# KiCad board zak180.kicad_pcb
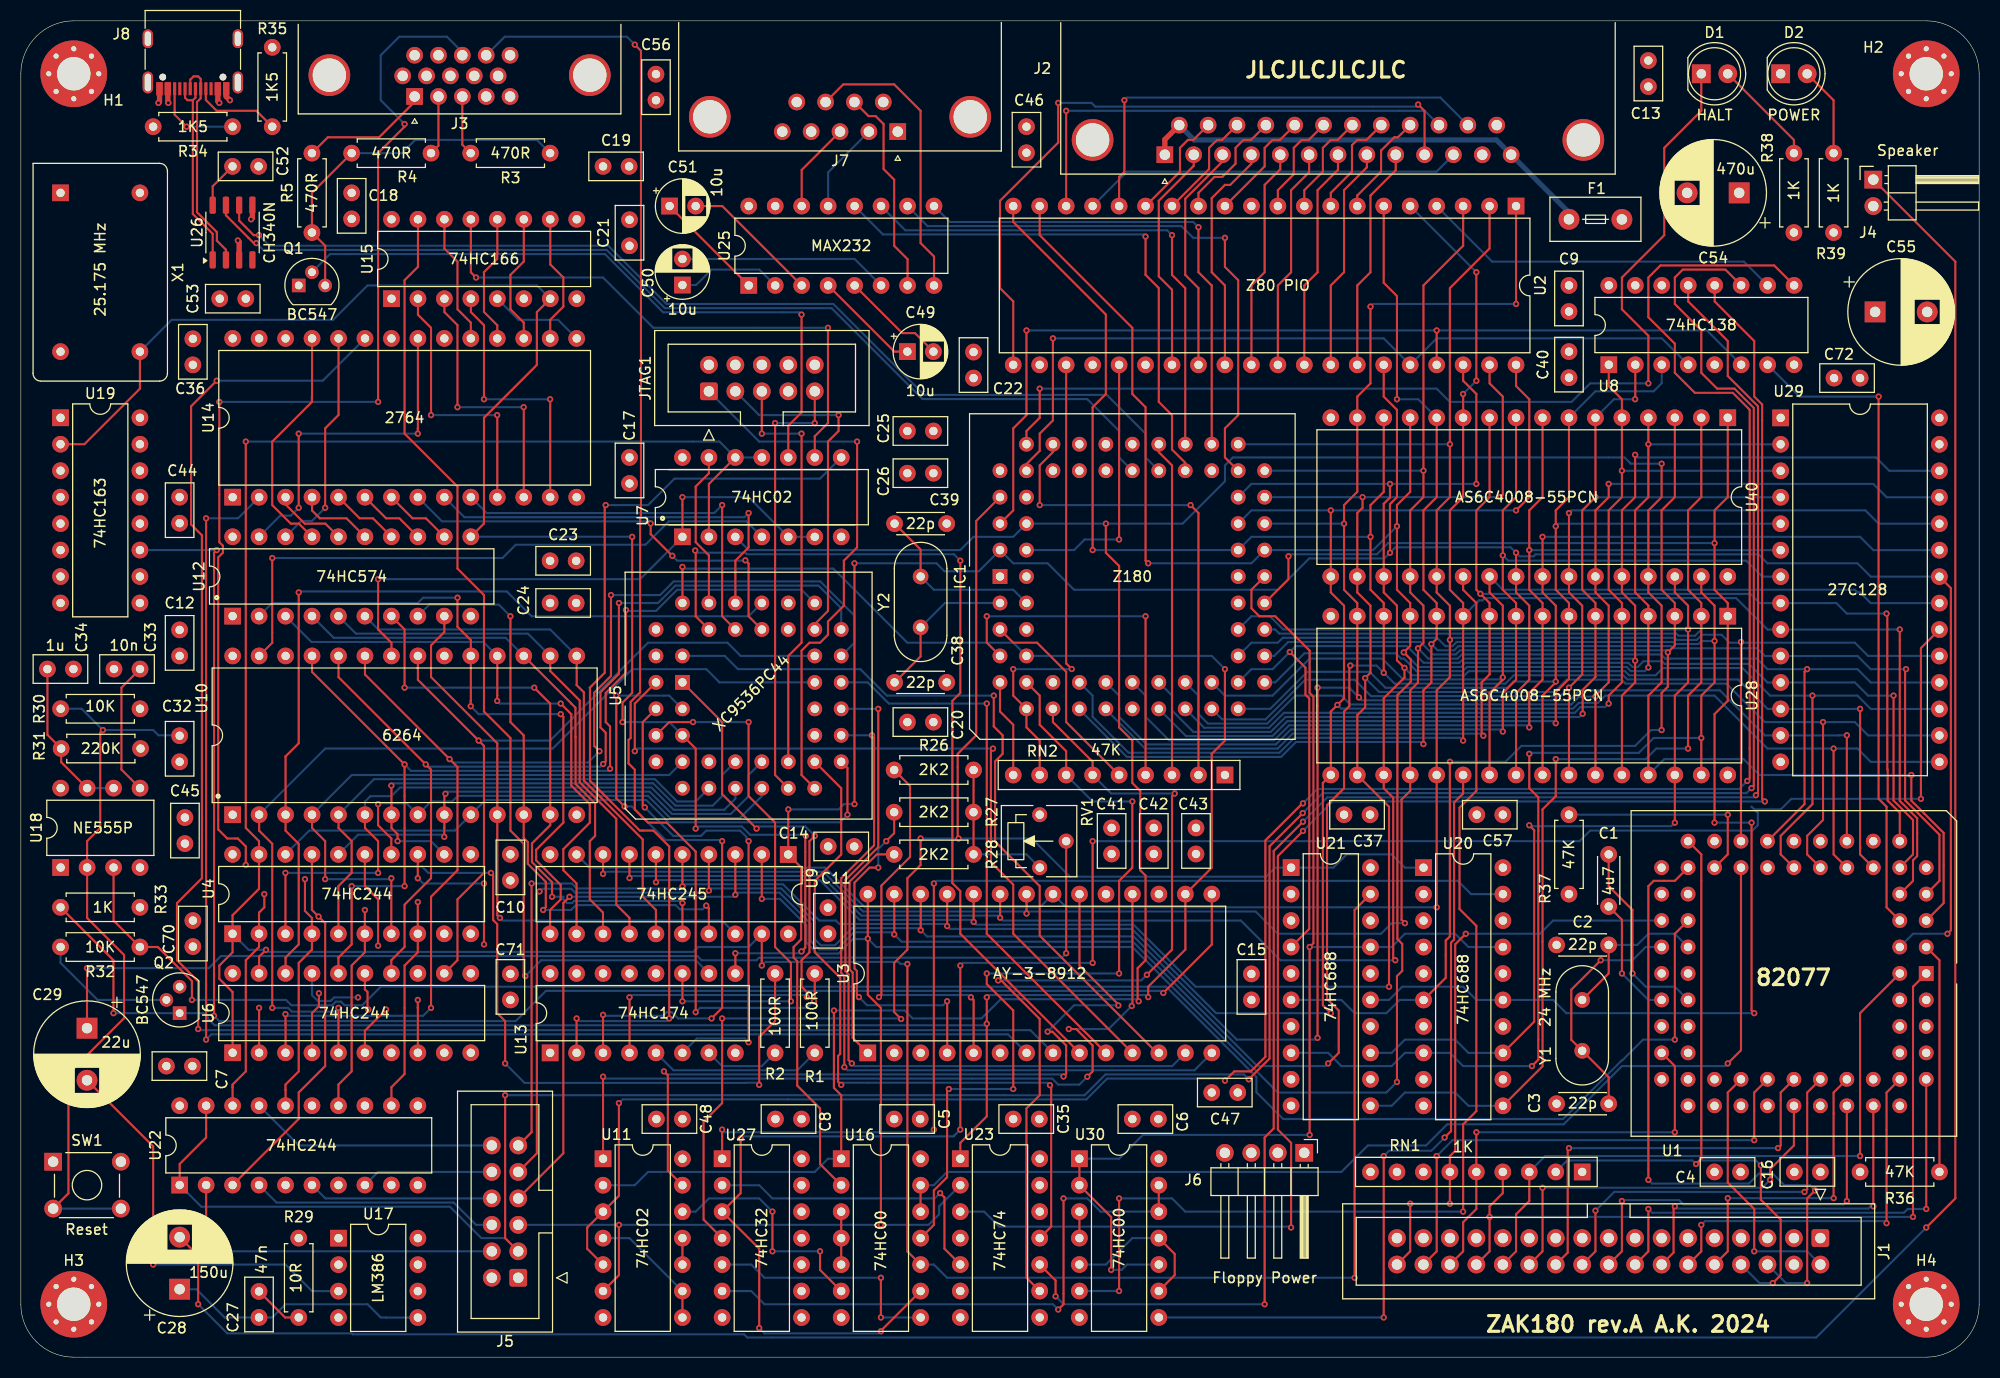
[diagram p0: board, top side]
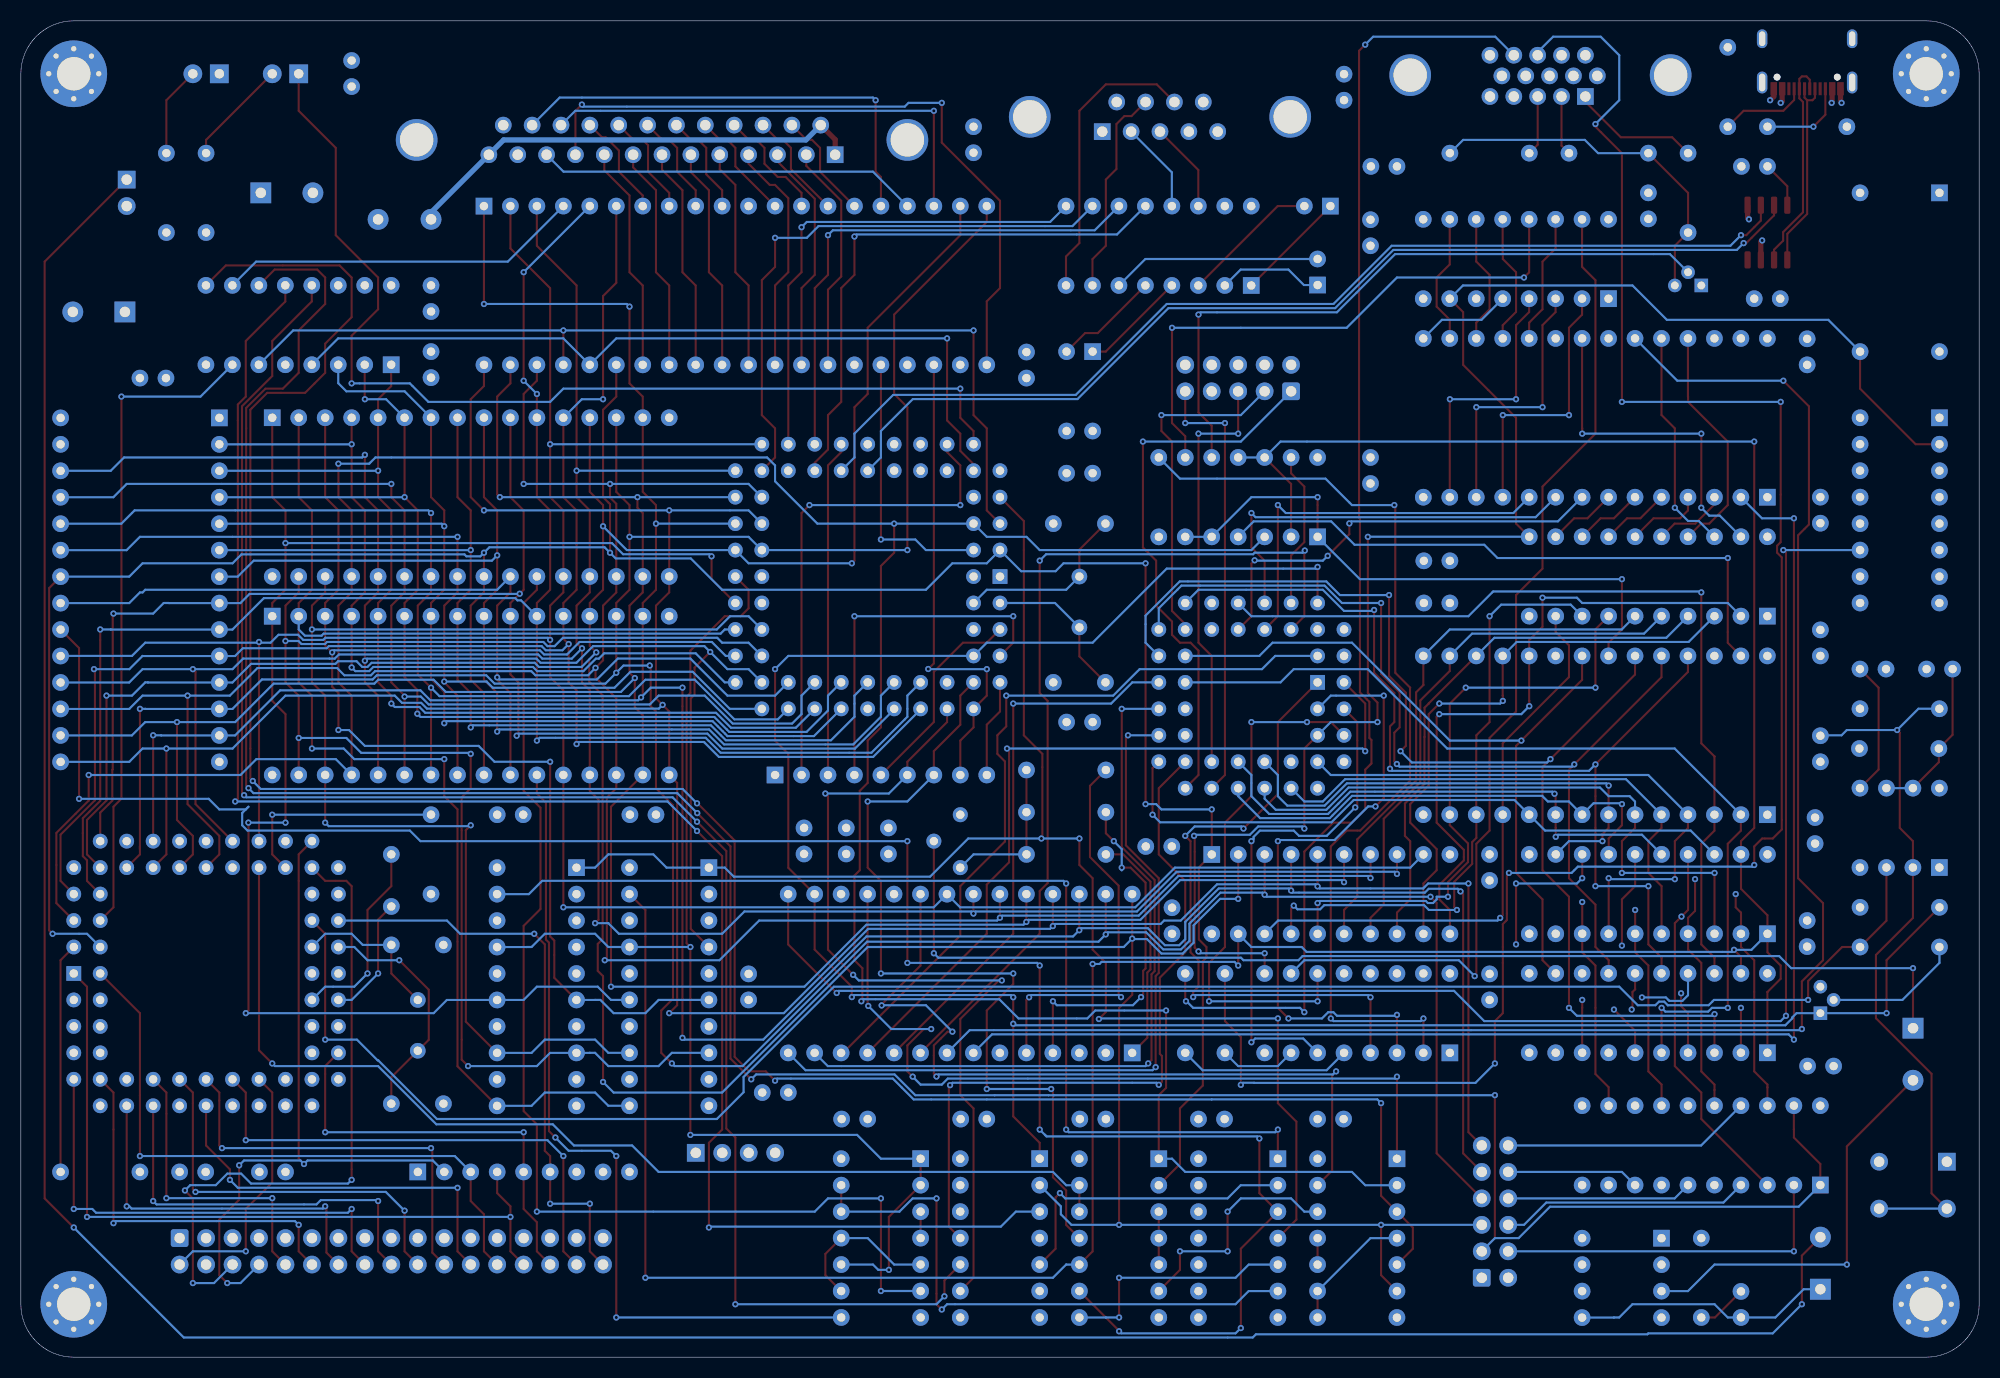
[diagram p1: board, bottom side, seen from below]

Outline 187.96 x 128.27 mm; copper layers: Top, In1.Cu, In2.Cu, Bottom. Coordinates in mm from the lower left corner of the outline.
Outline path: 0,123.19 arc(1.49,126.78) 5.08,128.27 182.88,128.27 arc(186.47,126.78) 187.96,123.19 187.96,5.08 arc(186.47,1.49) 182.88,0 5.08,0 arc(1.49,1.49) 0,5.08 0,123.19
Stack: Top 0.035mm / dielectric 0.1mm FR4 er 4.5 / In1.Cu 0.035mm / dielectric 1.24mm FR4 er 4.5 / In2.Cu 0.035mm / dielectric 0.1mm FR4 er 4.5 / Bottom 0.035mm

## Placement (name value [footprint] x y rotation side)
C1  4u7  [C_Disc_D4.3mm_W1.9mm_P5.00mm]  152.4 43.26 90 top  (not fitted)
C2  22p  [C_Disc_D4.3mm_W1.9mm_P5.00mm]  147.4 39.57 0 top
C3  22p  [C_Disc_D4.3mm_W1.9mm_P5.00mm]  147.4 24.33 0 top
C4  100n  [C_Disc_D5.0mm_W2.5mm_P2.50mm]  162.56 17.78 0 top
C5  100n  [C_Disc_D5.0mm_W2.5mm_P2.50mm]  86.32 22.85 180 top
C6  100n  [C_Disc_D5.0mm_W2.5mm_P2.50mm]  109.18 22.85 180 top
C7  100n  [C_Disc_D5.0mm_W2.5mm_P2.50mm]  16.47 27.94 180 top
C8  100n  [C_Disc_D5.0mm_W2.5mm_P2.50mm]  74.93 22.85 180 top
C9  100n  [C_Disc_D5.0mm_W2.5mm_P2.50mm]  148.59 102.87 270 top
C10  100n  [C_Disc_D5.0mm_W2.5mm_P2.50mm]  46.99 48.26 270 top
C11  100n  [C_Disc_D5.0mm_W2.5mm_P2.50mm]  77.47 40.64 90 top
C12  100n  [C_Disc_D5.0mm_W2.5mm_P2.50mm]  15.24 67.31 90 top
C13  100n  [C_Disc_D5.0mm_W2.5mm_P2.50mm]  156.21 124.46 270 top
C14  100n  [C_Disc_D5.0mm_W2.5mm_P2.50mm]  79.99 49.02 180 top
C15  100n  [C_Disc_D5.0mm_W2.5mm_P2.50mm]  118.11 36.79 270 top
C16  100n  [C_Disc_D5.0mm_W2.5mm_P2.50mm]  172.72 17.78 180 top
C17  100n  [C_Disc_D5.0mm_W2.5mm_P2.50mm]  58.42 86.36 270 top
C18  100n  [C_Disc_D5.0mm_W2.5mm_P2.50mm]  31.75 109.26 90 top
C19  100n  [C_Disc_D5.0mm_W2.5mm_P2.50mm]  55.88 114.3 0 top
C20  100n  [C_Disc_D5.0mm_W2.5mm_P2.50mm]  85.09 60.96 0 top
C21  100n  [C_Disc_D5.0mm_W2.5mm_P2.50mm]  58.42 106.68 90 top
C22  100n  [C_Disc_D5.0mm_W2.5mm_P2.50mm]  91.44 93.98 90 top
C23  100n  [C_Disc_D5.0mm_W2.5mm_P2.50mm]  50.8 76.44 0 top
C24  100n  [C_Disc_D5.0mm_W2.5mm_P2.50mm]  50.8 72.39 0 top
C25  100n  [C_Disc_D5.0mm_W2.5mm_P2.50mm]  85.09 88.9 0 top
C26  100n  [C_Disc_D5.0mm_W2.5mm_P2.50mm]  85.09 84.85 0 top
C27  47n  [C_Disc_D5.0mm_W2.5mm_P2.50mm]  22.86 3.81 90 top
C28  150u  [CP_Radial_D10.0mm_P5.00mm]  15.24 6.52 90 top
C29  22u  [CP_Radial_D10.0mm_P5.00mm]  6.35 31.58 270 top
C32  100n  [C_Disc_D5.0mm_W2.5mm_P2.50mm]  15.24 59.65 270 top
C33  10n  [C_Disc_D5.0mm_W2.5mm_P2.50mm]  11.44 66.05 180 top
C34  1u  [C_Disc_D5.0mm_W2.5mm_P2.50mm]  2.55 66.05 0 top
C35  100n  [C_Disc_D5.0mm_W2.5mm_P2.50mm]  97.75 22.85 180 top
C36  100n  [C_Disc_D5.0mm_W2.5mm_P2.50mm]  16.51 97.75 270 top
C37  100n  [C_Disc_D5.0mm_W2.5mm_P2.50mm]  129.5 52.07 180 top
C38  22p  [C_Disc_D4.3mm_W1.9mm_P5.00mm]  88.86 64.77 180 top
C39  22p  [C_Disc_D4.3mm_W1.9mm_P5.00mm]  88.86 80.01 180 top
C40  100n  [C_Disc_D5.0mm_W2.5mm_P2.50mm]  148.59 94.02 90 top
C41  100n  [C_Disc_D5.0mm_W2.5mm_P2.50mm]  104.69 48.3 90 top
C42  100n  [C_Disc_D5.0mm_W2.5mm_P2.50mm]  108.74 48.3 90 top
C43  100n  [C_Disc_D5.0mm_W2.5mm_P2.50mm]  112.79 48.3 90 top
C44  100n  [C_Disc_D5.0mm_W2.5mm_P2.50mm]  15.24 82.55 270 top
C45  100n  [C_Disc_D5.0mm_W2.5mm_P2.50mm]  15.75 49.3 90 top
C46  100n  [C_Disc_D5.0mm_W2.5mm_P2.50mm]  96.52 115.61 90 top
C47  100n  [C_Disc_D5.0mm_W2.5mm_P2.50mm]  116.8 25.4 180 top
C48  100n  [C_Disc_D5.0mm_W2.5mm_P2.50mm]  63.5 22.85 180 top
C49  10u  [CP_Radial_D5.0mm_P2.50mm]  85.09 96.52 0 top
C50  10u  [CP_Radial_D5.0mm_P2.50mm]  63.5 102.91 90 top
C51  10u  [CP_Radial_D5.0mm_P2.50mm]  62.27 110.49 0 top
C52  100n  [C_Disc_D5.0mm_W2.5mm_P2.50mm]  20.32 114.3 0 top
C53  100n  [C_Disc_D5.0mm_W2.5mm_P2.50mm]  19.09 101.6 0 top
C54  470u  [CP_Radial_D10.0mm_P5.00mm]  164.93 111.76 180 top
C55  470u  [CP_Radial_D10.0mm_P5.00mm]  177.97 100.33 0 top
C56  100n  [C_Disc_D5.0mm_W2.5mm_P2.50mm]  60.96 120.65 90 top
C57  100n  [C_Disc_D5.0mm_W2.5mm_P2.50mm]  142.24 52.07 180 top
C70  100n  [C_Disc_D5.0mm_W2.5mm_P2.50mm]  16.51 41.91 270 top
C71  100n  [C_Disc_D5.0mm_W2.5mm_P2.50mm]  46.99 36.79 270 top
C72  100n  [C_Disc_D5.0mm_W2.5mm_P2.50mm]  174.03 93.98 0 top
D1  HALT  [LED_D5.0mm]  161.29 123.19 0 top
D2  POWER  [LED_D5.0mm]  168.91 123.19 0 top
F1  Fuse  [Fuse_Littelfuse_395Series]  148.59 109.22 0 top
H1  MountingHole_Pad  [MountingHole_3.2mm_M3_Pad_Via]  5.08 123.19 0 top
H2  MountingHole_Pad  [MountingHole_3.2mm_M3_Pad_Via]  182.88 123.19 0 top
H3  MountingHole_Pad  [MountingHole_3.2mm_M3_Pad_Via]  5.08 5.08 0 top
H4  MountingHole_Pad  [MountingHole_3.2mm_M3_Pad_Via]  182.88 5.08 0 top
IC1  Z180  [PLCC-68_THT-Socket]  93.98 74.93 90 top
J1  Conn_02x17_Odd_Even  [IDC-Header_2x17_P2.54mm_Vertical]  172.72 11.43 270 top
J2  DB25_Receptacle_MountingHoles  [DSUB-25_Female_Horizontal_P2.77x2.84mm_EdgePinOffset9.90mm_Housed_MountingHolesOffset11.32mm]  109.8 115.42 180 top
J3  DE15_Receptacle_HighDensity_MountingHoles  [DSUB-15-HD_Female_Horizontal_P2.29x1.98mm_EdgePinOffset3.03mm_Housed_MountingHolesOffset4.94mm]  37.79 121.01 180 top
J4  Speaker  [PinHeader_1x02_P2.54mm_Horizontal]  177.8 113.03 0 top
J5  Conn_02x06_Odd_Even  [IDC-Header_2x06_P2.54mm_Vertical]  47.74 7.62 180 top
J6  Floppy Power  [PinHeader_1x04_P2.54mm_Horizontal]  123.18 19.62 270 top
J7  DE9_Plug_MountingHoles  [DSUB-9_Male_Horizontal_P2.77x2.84mm_EdgePinOffset7.70mm_Housed_MountingHolesOffset9.12mm]  84.16 117.64 180 top
J8  USB_C_Receptacle_USB2.0_14P  [USB_C_Receptacle_G-Switch_GT-USB-7010ASV]  16.51 125.48 180 top
JTAG1  Conn_02x05_Odd_Even  [IDC-Header_2x05_P2.54mm_Vertical]  66.04 92.71 90 top
Q1  BC547  [TO-92]  26.67 102.87 0 top
Q2  BC547  [TO-92]  15.24 33.02 90 top
R1  100R  [R_Axial_DIN0207_L6.3mm_D2.5mm_P7.62mm_Horizontal]  76.2 29.21 90 top
R2  100R  [R_Axial_DIN0207_L6.3mm_D2.5mm_P7.62mm_Horizontal]  72.39 29.21 90 top
R3  470R  [R_Axial_DIN0207_L6.3mm_D2.5mm_P7.62mm_Horizontal]  50.8 115.57 180 top
R4  470R  [R_Axial_DIN0207_L6.3mm_D2.5mm_P7.62mm_Horizontal]  31.75 115.57 0 top
R5  470R  [R_Axial_DIN0207_L6.3mm_D2.5mm_P7.62mm_Horizontal]  27.94 107.95 90 top
R26  2K2  [R_Axial_DIN0207_L6.3mm_D2.5mm_P7.62mm_Horizontal]  83.82 56.36 0 top
R27  2K2  [R_Axial_DIN0207_L6.3mm_D2.5mm_P7.62mm_Horizontal]  83.82 52.31 0 top
R28  2K2  [R_Axial_DIN0207_L6.3mm_D2.5mm_P7.62mm_Horizontal]  83.82 48.26 0 top
R29  10R  [R_Axial_DIN0207_L6.3mm_D2.5mm_P7.62mm_Horizontal]  26.67 11.43 270 top
R30  10K  [R_Axial_DIN0207_L6.3mm_D2.5mm_P7.62mm_Horizontal]  11.44 62.24 180 top
R31  220K  [R_Axial_DIN0207_L6.3mm_D2.5mm_P7.62mm_Horizontal]  11.49 58.42 180 top
R32  10K  [R_Axial_DIN0207_L6.3mm_D2.5mm_P7.62mm_Horizontal]  11.43 39.37 180 top
R33  1K  [R_Axial_DIN0207_L6.3mm_D2.5mm_P7.62mm_Horizontal]  3.81 43.18 0 top
R34  1K5  [R_Axial_DIN0207_L6.3mm_D2.5mm_P7.62mm_Horizontal]  20.32 118.11 180 top
R35  1K5  [R_Axial_DIN0207_L6.3mm_D2.5mm_P7.62mm_Horizontal]  24.13 118.11 90 top
R36  47K  [R_Axial_DIN0207_L6.3mm_D2.5mm_P7.62mm_Horizontal]  176.53 17.78 0 top
R37  47K  [R_Axial_DIN0207_L6.3mm_D2.5mm_P7.62mm_Horizontal]  148.59 52.07 270 top
R38  1K  [R_Axial_DIN0207_L6.3mm_D2.5mm_P7.62mm_Horizontal]  170.18 107.95 90 top
R39  1K  [R_Axial_DIN0207_L6.3mm_D2.5mm_P7.62mm_Horizontal]  173.99 107.95 90 top
RN1  1K  [R_Array_SIP9]  149.86 17.78 180 top
RN2  47K  [R_Array_SIP9]  115.57 55.88 180 top
RV1  1K  [Potentiometer_Vishay_T73YP_Vertical]  97.79 46.99 0 top
SW1  Reset  [SW_TH_Tactile_Omron_B3F-10xx]  3.1 18.76 0 top
U1  82077AA/PC8477  [PLCC-68_THT-Socket]  182.88 36.83 270 top
U2  Z80 PIO  [DIP-40_W15.24mm]  143.51 110.49 270 top
U3  AY-3-8912  [DIP-28_W15.24mm]  81.29 29.2 90 top
U4  74HC244  [DIP-20_W7.62mm]  20.32 40.64 90 top
U5  XC9536PC44  [PLCC-44_THT-Socket]  63.5 64.77 90 top
U6  74HC244  [DIP-20_W7.62mm]  20.32 29.22 90 top
U7  74HC02  [DIP-14_W7.62mm]  63.5 78.74 90 top
U8  74HC138  [DIP-16_W7.62mm]  152.41 95.26 90 top
U9  74HC245  [DIP-20_W7.62mm]  73.65 48.25 270 top
U10  6264  [DIP-28_W15.24mm]  20.33 52.07 90 top
U11  74HC02  [DIP-14_W7.62mm]  55.88 19.05 0 top
U12  74HC574  [DIP-20_W7.62mm]  20.32 71.13 90 top
U13  74HC174  [DIP-16_W7.62mm]  50.8 29.21 90 top
U14  2764  [DIP-28_W15.24mm]  20.33 82.54 90 top
U15  74HC166  [DIP-16_W7.62mm]  35.57 101.6 90 top
U16  74HC00  [DIP-14_W7.62mm]  78.74 19.05 0 top
U17  LM386  [DIP-8_W7.62mm]  30.49 11.42 0 top
U18  NE555P  [DIP-8_W7.62mm]  3.82 47 90 top
U19  74HC163  [DIP-16_W7.62mm]  3.81 90.17 0 top
U20  74HC688  [DIP-20_W7.62mm]  134.63 46.98 0 top
U21  74HC688  [DIP-20_W7.62mm]  121.92 46.99 0 top
U22  74HC244  [DIP-20_W7.62mm]  15.24 16.52 90 top
U23  74HC74  [DIP-14_W7.62mm]  90.17 19.05 0 top
U25  MAX232  [DIP-16_W7.62mm]  69.86 102.87 90 top
U26  CH340N  [SOP-8_3.9x4.9mm_P1.27mm]  20.32 107.95 90 top
U27  74HC32  [DIP-14_W7.62mm]  67.31 19.05 0 top
U28  AS6C4008-55PCN  [DIP-32_W15.24mm]  163.83 71.12 270 top
U29  27C128  [DIP-28_W15.24mm]  168.9 90.16 0 top
U30  74HC00  [DIP-14_W7.62mm]  101.6 19.05 0 top
U40  AS6C4008-55PCN  [DIP-32_W15.24mm]  163.83 90.18 270 top
X1  25.175 MHz  [Oscillator_DIP-14]  3.81 111.76 270 top
Y1  24 MHz  [Crystal_HC49-4H_Vertical]  149.86 29.41 90 top
Y2  16 MHz  [Crystal_HC49-4H_Vertical]  86.36 70.05 90 top

## Library data of the parts
C1-C27 C32-C48 C52 C53 C56 C57 C70-C72 = -: Description: Unpolarized capacitor; ki_fp_filters: C_*
C28 C29 C49-C51 C54 C55 = -: Description: Polarized capacitor; ki_fp_filters: CP_*
D1 D2 = -: Description: Light emitting diode; ki_fp_filters: LED* LED_SMD:* LED_THT:*
F1 = -: ki_fp_filters: *Fuse*
H1-H4 = -: Description: Mounting Hole with connection; ki_fp_filters: MountingHole*Pad*
IC1 = -: Datasheet: http://www.mouser.com/ds/2/450/z8s180ps-28828.pdf; Description: Zilog Z8S180 & Z8L180, Z80 Microprocessor Z180 8bit CISC 68-Pin PLCC; Description_1: Zilog Z8S180 & Z8L180, Z80 Microprocessor Z180 8bit CISC 68-Pin PLCC; Height: 4.57; Manufacturer_Name: Zilog; Manufacturer_Part_Number: Z8S18033VSG; Mouser Part Number: 692-Z8S18033VSG; Mouser Price/Stock: https://www.mouser.com/Search/Refine.aspx?Keyword=692-Z8S18033VSG; RS Part Number: 6259270; RS Price/Stock: http://uk.rs-online.com/web/p/products/6259270; Allied_Number: R1000023; Allied Price/Stock: https://www.alliedelec.com/zilog-z8s18033vsg/R1000023/
J1 = -: Description: Generic connector, double row, 02x17, odd/even pin numbering scheme (row 1 odd numbers, row 2 even numbers), script generated (kicad-library-utils/schlib/autogen/connector/); ki_fp_filters: Connector*:*_2x??_*
J2 = -: Description: 25-pin female receptacle socket D-SUB connector, Mounting Hole; ki_fp_filters: DSUB*Female*
J3 = -: ki_fp_filters: DSUB*Female*
J4 = -: Description: Generic connector, single row, 01x02, script generated; ki_fp_filters: Connector*:*_1x??_*
J5 = -: Description: Generic connector, double row, 02x06, odd/even pin numbering scheme (row 1 odd numbers, row 2 even numbers), script generated (kicad-library-utils/schlib/autogen/connector/); ki_fp_filters: Connector*:*_2x??_*
J6 = -: Description: Generic connector, single row, 01x04, script generated; ki_fp_filters: Connector*:*_1x??_*
J7 = -: Description: 9-pin male plug pin D-SUB connector, Mounting Hole; ki_fp_filters: DSUB*Male*
J8 = -: Datasheet: https://www.usb.org/sites/default/files/documents/usb_type-c.zip; Description: USB 2.0-only 14P Type-C Receptacle connector; ki_fp_filters: USB*C*Receptacle*
JTAG1 = -: ki_fp_filters: Connector*:*_2x??_*
Q1 Q2 = -: Datasheet: https://www.tme.eu/Document/6c5d898a533a0762c2bc33eb26c283a8/BC546-550-DTE.pdf; Description: NPN TO-92 transistor, 45V, 100mA, 500mW, Complementary to BC557, Alternate KiCAD Library
R1-R5 = -: ki_fp_filters: R_*
R26-R39 = -: Description: Resistor; ki_fp_filters: R_*
RN1 RN2 = -: Datasheet: http://www.vishay.com/docs/31509/csc.pdf; Description: 8 resistor network, star topology, bussed resistors, small symbol; ki_fp_filters: R?Array?SIP*
RV1 = -: Description: Potentiometer; ki_fp_filters: Potentiometer*
SW1 = -: Datasheet: https://omronfs.omron.com/en_US/ecb/products/pdf/en-b3fs.pdf; Description: Omron B3FS 6x6mm single pole normally-open tactile switch; ki_fp_filters: SW*Omron*B3FS*
U2 = -: Datasheet: https://www.zilog.com/appnotes_download.php?FromPage=DirectLink&dn=PS0180&ft=Product%20Specification%20(Data%20Sheet)%20%20&f=YUhSMGNEb3ZMM2QzZHk1NmFXeHZaeTVqYjIwdlpHOWpjeTk2T0RBdmNITXdNVGd3TG5Ca1pnPT0=; Description: ZILOG PIO DIP-40 Z84C20 Z8420; ki_fp_filters: DIP*W15.24mm*
U3 = -: Datasheet: map.grauw.nl/resources/sound/generalinstrument_ay-3-8910.pdf; Description: 3 Chanel Programable Sound Generator + 8 I/O; ki_fp_filters: Package_DIP:DIP-28_W15.24mm*
U4 U6 U22 = -: Datasheet: https://assets.nexperia.com/documents/data-sheet/74HC_HCT244.pdf; Description: 8-bit Buffer/Line Driver 3-state; ki_fp_filters: TSSOP*4.4x6.5mm*P0.65mm* SSOP*4.4x6.5mm*P0.65mm*
U5 = -: Datasheet: xilinx/xc9536.pdf
U7 = -: Datasheet: http://www.ti.com/lit/gpn/sn74hc02; ki_fp_filters: SO14* DIP*W7.62mm*
U8 = -: Datasheet: http://www.ti.com/lit/ds/symlink/cd74hc238.pdf; Description: 3-to-8 line decoder/multiplexer inverting, DIP-16/SOIC-16/SSOP-16; ki_fp_filters: DIP*W7.62mm* SOIC*3.9x9.9mm*P1.27mm* SSOP*5.3x6.2mm*P0.65mm*
U9 = -: Datasheet: http://www.ti.com/lit/gpn/sn74HC245; Description: Octal BUS Transceivers, 3-State outputs; ki_fp_filters: DIP?20*
U11 = -: Datasheet: http://www.ti.com/lit/gpn/sn74hc02; Description: quad 2-input NOR gate; ki_fp_filters: SO14* DIP*W7.62mm*
U12 = -: Datasheet: http://www.ti.com/lit/gpn/sn74HCT574; ki_fp_filters: DIP?20*
U13 = -: Datasheet: http://www.ti.com/lit/gpn/sn74LS174; Description: Hex D-type Flip-Flop, reset; ki_fp_filters: DIP?16*
U14 = -: Datasheet: https://downloads.reactivemicro.com/Electronics/ROM/2764%20EPROM.pdf; ki_fp_filters: DIP*W15.24mm*
U15 = -: Datasheet: http://www.ti.com/lit/gpn/sn74LS166; ki_fp_filters: DIP?16*
U16 U30 = -: Datasheet: http://www.ti.com/lit/gpn/sn74hc00; Description: quad 2-input NAND gate; ki_fp_filters: DIP*W7.62mm* SO14*
U17 = -: Datasheet: http://www.ti.com/lit/ds/symlink/lm386.pdf; Description: Low Voltage Audio Power Amplifier, DIP-8/SOIC-8/SSOP-8; ki_fp_filters: SOIC*3.9x4.9mm*P1.27mm* DIP*W7.62mm* MSSOP*P0.65mm* TSSOP*3x3mm*P0.5mm*
U18 = -: Datasheet: http://www.ti.com/lit/ds/symlink/ne555.pdf; Description: Precision Timers, 555 compatible,  PDIP-8; ki_fp_filters: DIP*W7.62mm*
U19 = -: Datasheet: http://www.ti.com/lit/gpn/sn74LS163; Description: Synchronous 4-bit programmable binary Counter; ki_fp_filters: DIP?16*
U20 U21 = -: Datasheet: https://www.ti.com/lit/ds/symlink/cd54hc688.pdf; Description: 8-bit magnitude comparator; ki_fp_filters: DIP?20* SOIC?20* SO?20* TSSOP?20*
U23 = -: Datasheet: 74xx/74hc_hct74.pdf; Description: Dual D Flip-flop, Set & Reset; ki_fp_filters: DIP*W7.62mm*
U25 = -: Datasheet: http://www.ti.com/lit/ds/symlink/max232.pdf; Description: Dual RS232 driver/receiver, 5V supply, 120kb/s, 0C-70C; ki_fp_filters: SOIC*P1.27mm* DIP*W7.62mm* TSSOP*4.4x5mm*P0.65mm*
U26 = -: Datasheet: https://aitendo3.sakura.ne.jp/aitendo_data/product_img/ic/inteface/CH340N/ch340n.pdf; Description: USB serial converter, 2Mbps, UART, SOP-8; ki_fp_filters: SOP*3.9x4.9mm*P1.27mm*
U27 = -: Datasheet: http://www.ti.com/lit/gpn/sn74LS32; Description: Quad 2-input OR; ki_fp_filters: DIP?14*
U28 U40 = -: Datasheet: https://www.alliancememory.com/wp-content/uploads/pdf/AS6C4008.pdf; Description: 512K x 8 Low Power CMOS RAM, DIP-32; ki_fp_filters: DIP*W15.24mm*
U29 = -: Datasheet: http://ww1.microchip.com/downloads/en/devicedoc/11003L.pdf; Description: OTP EPROM 128 KiBit, [Obsolete 2004-01]; ki_fp_filters: DIP*W15.24mm*
X1 = -: Datasheet: http://www.conwin.com/datasheets/cx/cx030.pdf; Description: HCMOS Crystal Clock Oscillator, DIP14-style metal package; ki_fp_filters: Oscillator*DIP*14*
Y1 Y2 = -: Description: Two pin crystal; ki_fp_filters: Crystal*

## Footprints (pads in the part's own frame, mm; a bottom-side part is the same pattern mirrored in y, then rotated)
C_Disc_D4.3mm_W1.9mm_P5.00mm
  round 1.6 hole 0.8: 1(0,0) 2(5,0)
C_Disc_D5.0mm_W2.5mm_P2.50mm
  round 1.6 hole 0.8: 1(0,0) 2(2.5,0)
CP_Radial_D5.0mm_P2.50mm
  rect 1.6x1.6 hole 0.8: 1(0,0)
  round 1.6 hole 0.8: 2(2.5,0)
CP_Radial_D10.0mm_P5.00mm
  rect 2x2 hole 1: 1(0,0)
  round 2 hole 1: 2(5,0)
Crystal_HC49-4H_Vertical
  round 1.5 hole 0.8: 1(0,0) 2(4.88,0)
DIP-8_W7.62mm
  rect 1.6x1.6 hole 0.8: 1(0,0)
  oval 1.6x1.6 hole 0.8: 2(0,-2.54) 3(0,-5.08) 4(0,-7.62) 5(7.62,-7.62) 6(7.62,-5.08) 7(7.62,-2.54) 8(7.62,0)
DIP-14_W7.62mm
  rect 1.6x1.6 hole 0.8: 1(0,0)
  oval 1.6x1.6 hole 0.8: 2(0,-2.54) 3(0,-5.08) 4(0,-7.62) 5(0,-10.16) 6(0,-12.7) 7(0,-15.24) 8(7.62,-15.24) 9(7.62,-12.7) 10(7.62,-10.16) 11(7.62,-7.62) 12(7.62,-5.08) 13(7.62,-2.54) 14(7.62,0)
DIP-16_W7.62mm
  rect 1.6x1.6 hole 0.8: 1(0,0)
  oval 1.6x1.6 hole 0.8: 2(0,-2.54) 3(0,-5.08) 4(0,-7.62) 5(0,-10.16) 6(0,-12.7) 7(0,-15.24) 8(0,-17.78) 9(7.62,-17.78) 10(7.62,-15.24) 11(7.62,-12.7) 12(7.62,-10.16) 13(7.62,-7.62) 14(7.62,-5.08) 15(7.62,-2.54) 16(7.62,0)
DIP-20_W7.62mm
  rect 1.6x1.6 hole 0.8: 1(0,0)
  oval 1.6x1.6 hole 0.8: 2(0,-2.54) 3(0,-5.08) 4(0,-7.62) 5(0,-10.16) 6(0,-12.7) 7(0,-15.24) 8(0,-17.78) 9(0,-20.32) 10(0,-22.86) 11(7.62,-22.86) 12(7.62,-20.32) 13(7.62,-17.78) 14(7.62,-15.24) 15(7.62,-12.7) 16(7.62,-10.16) 17(7.62,-7.62) 18(7.62,-5.08) 19(7.62,-2.54) 20(7.62,0)
DIP-28_W15.24mm
  rect 1.6x1.6 hole 0.8: 1(0,0)
  oval 1.6x1.6 hole 0.8: 2(0,-2.54) 3(0,-5.08) 4(0,-7.62) 5(0,-10.16) 6(0,-12.7) 7(0,-15.24) 8(0,-17.78) 9(0,-20.32) 10(0,-22.86) 11(0,-25.4) 12(0,-27.94) 13(0,-30.48) 14(0,-33.02) 15(15.24,-33.02) 16(15.24,-30.48) 17(15.24,-27.94) 18(15.24,-25.4) 19(15.24,-22.86) 20(15.24,-20.32) 21(15.24,-17.78) 22(15.24,-15.24) 23(15.24,-12.7) 24(15.24,-10.16) 25(15.24,-7.62) 26(15.24,-5.08) 27(15.24,-2.54) 28(15.24,0)
DIP-32_W15.24mm
  rect 1.6x1.6 hole 0.8: 1(0,0)
  oval 1.6x1.6 hole 0.8: 2(0,-2.54) 3(0,-5.08) 4(0,-7.62) 5(0,-10.16) 6(0,-12.7) 7(0,-15.24) 8(0,-17.78) 9(0,-20.32) 10(0,-22.86) 11(0,-25.4) 12(0,-27.94) 13(0,-30.48) 14(0,-33.02) 15(0,-35.56) 16(0,-38.1) 17(15.24,-38.1) 18(15.24,-35.56) 19(15.24,-33.02) 20(15.24,-30.48) 21(15.24,-27.94) 22(15.24,-25.4) 23(15.24,-22.86) 24(15.24,-20.32) 25(15.24,-17.78) 26(15.24,-15.24) 27(15.24,-12.7) 28(15.24,-10.16) 29(15.24,-7.62) 30(15.24,-5.08) 31(15.24,-2.54) 32(15.24,0)
DIP-40_W15.24mm
  rect 1.6x1.6 hole 0.8: 1(0,0)
  oval 1.6x1.6 hole 0.8: 2(0,-2.54) 3(0,-5.08) 4(0,-7.62) 5(0,-10.16) 6(0,-12.7) 7(0,-15.24) 8(0,-17.78) 9(0,-20.32) 10(0,-22.86) 11(0,-25.4) 12(0,-27.94) 13(0,-30.48) 14(0,-33.02) 15(0,-35.56) 16(0,-38.1) 17(0,-40.64) 18(0,-43.18) 19(0,-45.72) 20(0,-48.26) 21(15.24,-48.26) 22(15.24,-45.72) 23(15.24,-43.18) 24(15.24,-40.64) 25(15.24,-38.1) 26(15.24,-35.56) 27(15.24,-33.02) 28(15.24,-30.48) 29(15.24,-27.94) 30(15.24,-25.4) 31(15.24,-22.86) 32(15.24,-20.32) 33(15.24,-17.78) 34(15.24,-15.24) 35(15.24,-12.7) 36(15.24,-10.16) 37(15.24,-7.62) 38(15.24,-5.08) 39(15.24,-2.54) 40(15.24,0)
DSUB-9_Male_Horizontal_P2.77x2.84mm_EdgePinOffset7.70mm_Housed_MountingHolesOffset9.12mm
  round 4 hole 3.2: 0(-6.96,-1.42) 0(18.04,-1.42)
  rect 1.6x1.6 hole 1: 1(0,0)
  round 1.6 hole 1: 2(2.77,0) 3(5.54,0) 4(8.31,0) 5(11.08,0) 6(1.385,-2.84) 7(4.155,-2.84) 8(6.925,-2.84) 9(9.695,-2.84)
DSUB-15-HD_Female_Horizontal_P2.29x1.98mm_EdgePinOffset3.03mm_Housed_MountingHolesOffset4.94mm
  round 4 hole 3.2: 0(-16.815,-2.05) 0(8.185,-2.05)
  rect 1.6x1.6 hole 1: 1(0,0)
  round 1.6 hole 1: 2(-2.29,0) 3(-4.58,0) 4(-6.87,0) 5(-9.16,0) 6(1.145,-1.98) 7(-1.145,-1.98) 8(-3.435,-1.98) 9(-5.725,-1.98) 10(-8.015,-1.98) 11(0,-3.96) 12(-2.29,-3.96) 13(-4.58,-3.96) 14(-6.87,-3.96) 15(-9.16,-3.96)
DSUB-25_Female_Horizontal_P2.77x2.84mm_EdgePinOffset9.90mm_Housed_MountingHolesOffset11.32mm
  round 4 hole 3.2: 0(-40.17,-1.42) 0(6.93,-1.42)
  rect 1.6x1.6 hole 1: 1(0,0)
  round 1.6 hole 1: 2(-2.77,0) 3(-5.54,0) 4(-8.31,0) 5(-11.08,0) 6(-13.85,0) 7(-16.62,0) 8(-19.39,0) 9(-22.16,0) 10(-24.93,0) 11(-27.7,0) 12(-30.47,0) 13(-33.24,0) 14(-1.385,-2.84) 15(-4.155,-2.84) 16(-6.925,-2.84) 17(-9.695,-2.84) 18(-12.465,-2.84) 19(-15.235,-2.84) 20(-18.005,-2.84) 21(-20.775,-2.84) 22(-23.545,-2.84) 23(-26.315,-2.84) 24(-29.085,-2.84) 25(-31.855,-2.84)